# Altium PCB PCB4.PcbDoc (part 7 of 12) (continued)
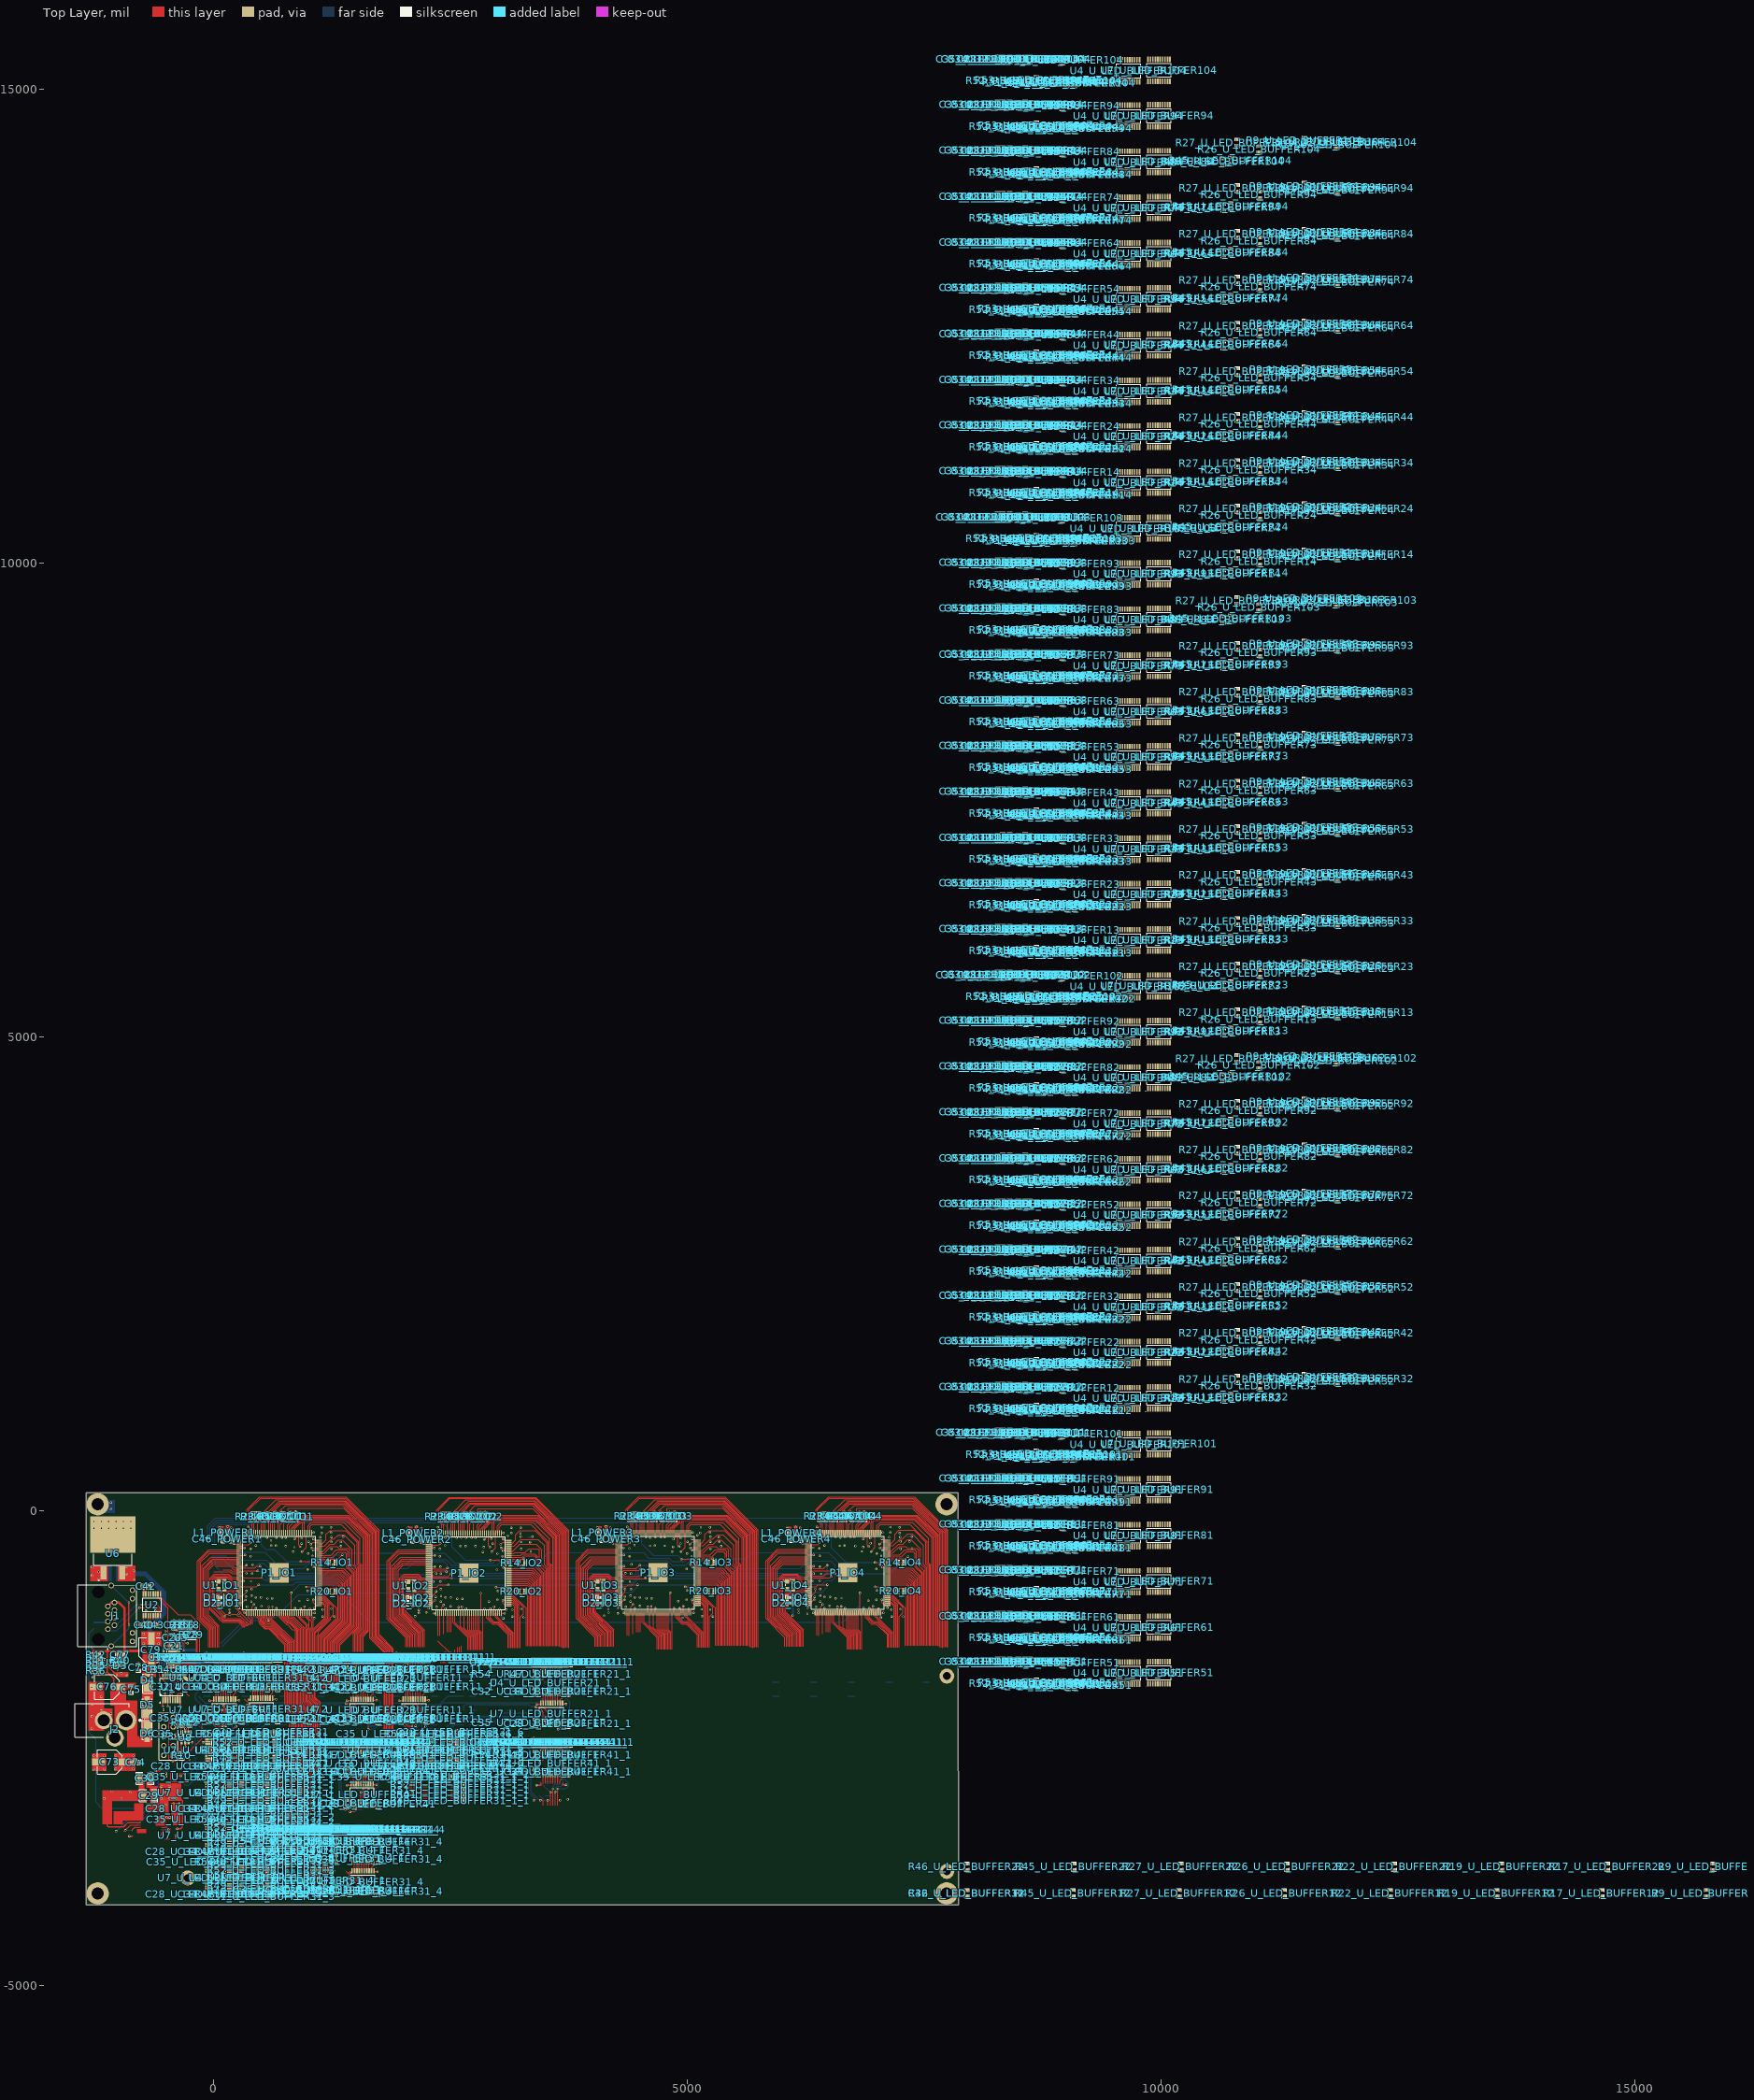
[diagram p0: Top Layer view]
## Nets (pads, with @x,y where several pads share a name; then routed paths per layer and width w, separated by ;. In a path a pad name is that pad's centre, name@x,y a point inside that pad or via, vN(x,y) a via of type N, cw(c..) or ccw(c..) an arc to the next point about the centre after c; other vN are vias at no path point) (continued)
  Top Layer w7: P1_IO1.52@644.25,-1073.81 640.97,-1077.09 640.97,-1107.2 634.82,-1113.35 615.25,-1113.35 605.11,-1123.49 616.5,-1134.88 852.57,-1370.95 852.57,-2063.97 901.45,-2112.86 901.45,-2607.14 778,-2730.59 778,-3070
GPIO_50_IO2: P1_IO2.52 R49_U_LED_BUFFER72.2 | length 421.2
  Top Layer w7: P1_IO2.52@2645.35,-1076.41 2645.35,-1234.13 2730.2,-1318.98 2730.2,-1462.43
GPIO_50_IO3: P1_IO3.52 R49_U_LED_BUFFER73.2 | length 421.2
  Top Layer w7: P1_IO3.52@4642.25,-1072.96 4642.25,-1230.68 4727.1,-1315.53 4727.1,-1458.98
GPIO_50_IO4: P1_IO4.52 R49_U_LED_BUFFER74.2 | length 421.2
  Top Layer w7: P1_IO4.52@6645.25,-1072.81 6645.25,-1230.53 6730.1,-1315.38 6730.1,-1458.83
GPIO_51_IO1: P1_IO1.46 R50_U_LED_BUFFER71.2 | length 2216.7
  Top Layer w7: P1_IO1.46@526.14,-1073.81 526.14,-1103.92 535.11,-1112.89 535.11,-1112.99 537.51,-1115.4 537.51,-1144.26 543.5,-1150.25 543.5,-1165.12 564.88,-1186.5 595.12,-1186.5 601.92,-1179.7 810.57,-1388.34 810.57,-2081.37 859.45,-2130.25 859.45,-2589.75 736,-2713.2 736,-3070
GPIO_51_IO2: P1_IO2.46 R50_U_LED_BUFFER72.2 | length 452.7
  Top Layer w7: P1_IO2.46@2527.24,-1076.41 2527.24,-1175.42 2688.2,-1336.38 2688.2,-1462.43
GPIO_51_IO3: P1_IO3.46 R50_U_LED_BUFFER73.2 | length 452.7
  Top Layer w7: P1_IO3.46@4524.14,-1072.96 4524.14,-1171.97 4685.1,-1332.93 4685.1,-1458.98
GPIO_51_IO4: P1_IO4.46 R50_U_LED_BUFFER74.2 | length 452.7
  Top Layer w7: P1_IO4.46@6527.14,-1072.81 6527.14,-1171.82 6688.1,-1332.78 6688.1,-1458.83
GPIO_52_IO1: P1_IO1.47 R51_U_LED_BUFFER71.2 | length 2219.1
  Top Layer w7: P1_IO1.47@545.83,-1073.81 545.83,-1103.81 549.11,-1107.09 549.11,-1107.2 551.51,-1109.6 551.51,-1138.46 557.5,-1144.45 557.5,-1159.32 570.68,-1172.5 589.32,-1172.5 601.92,-1159.9 824.57,-1382.55 824.57,-2075.57 873.45,-2124.45 873.45,-2595.55 750,-2718.99 750,-3070
GPIO_52_IO2: P1_IO2.47 R51_U_LED_BUFFER72.2 | length 450.3
  Top Layer w7: P1_IO2.47@2546.93,-1076.41 2546.93,-1175.3 2702.2,-1330.58 2702.2,-1462.43
GPIO_52_IO3: P1_IO3.47 R51_U_LED_BUFFER73.2 | length 450.3
  Top Layer w7: P1_IO3.47@4543.83,-1072.96 4543.83,-1171.85 4699.1,-1327.13 4699.1,-1458.98
GPIO_52_IO4: P1_IO4.47 R51_U_LED_BUFFER74.2 | length 450.3
  Top Layer w7: P1_IO4.47@6546.83,-1072.81 6546.83,-1171.7 6702.1,-1326.98 6702.1,-1458.83
GPIO_53_IO1: P1_IO1.50 R52_U_LED_BUFFER71.2 | length 2200.1
  Top Layer w7: P1_IO1.50@604.88,-1073.81 601.6,-1077.09 601.6,-1107.2 595.45,-1113.35 579.51,-1113.35 579.51,-1126.87 580.15,-1127.5 589.32,-1127.5 602.5,-1140.68 838.57,-1376.75 838.57,-2069.77 887.45,-2118.65 887.45,-2601.35 764,-2724.79 764,-3070
GPIO_53_IO2: P1_IO2.50 R52_U_LED_BUFFER72.2 | length 431.7
  Top Layer w7: P1_IO2.50@2605.98,-1076.41 2605.98,-1214.56 2716.2,-1324.78 2716.2,-1462.43
GPIO_53_IO3: P1_IO3.50 R52_U_LED_BUFFER73.2 | length 431.7
  Top Layer w7: P1_IO3.50@4602.88,-1072.96 4602.88,-1211.11 4713.1,-1321.33 4713.1,-1458.98
GPIO_53_IO4: P1_IO4.50 R52_U_LED_BUFFER74.2 | length 431.7
  Top Layer w7: P1_IO4.50@6605.88,-1072.81 6605.88,-1210.96 6716.1,-1321.18 6716.1,-1458.83
GPIO_54_IO1: P1_IO1.57 R53_U_LED_BUFFER71.2 | length 2678.6
  Top Layer w7: 714,-3550 714,-3263.54 854,-3123.54 854,-2735.83 957.45,-2632.38 957.45,-2089.66 917.99,-2050.21 908.57,-2040.78 908.57,-2029.18 908.57,-1958.57 908.57,-1248.57 815.35,-1155.35 793.77,-1155.35 763.01,-1124.59 763.01,-1124.48 757.33,-1118.79 757.33,-1118.68 751.64,-1112.99 751.64,-1112.88 745.96,-1107.2 745.96,-1085.96 742.68,-1082.68 P1_IO1.57@742.68,-1073.81
GPIO_54_IO2: P1_IO2.57 R53_U_LED_BUFFER72.2 | length 403.6
  Top Layer w7: P1_IO2.57@2743.78,-1076.41 2743.78,-1253.36 2786.2,-1295.78 2786.2,-1462.43
GPIO_54_IO3: P1_IO3.57 R53_U_LED_BUFFER73.2 | length 403.6
  Top Layer w7: P1_IO3.57@4740.68,-1072.96 4740.68,-1249.91 4783.1,-1292.34 4783.1,-1458.98
GPIO_54_IO4: P1_IO4.57 R53_U_LED_BUFFER74.2 | length 403.6
  Top Layer w7: P1_IO4.57@6743.68,-1072.81 6743.68,-1249.76 6786.1,-1292.18 6786.1,-1458.83
GPIO_55_IO1: P1_IO1.54 R54_U_LED_BUFFER71.2 | length 2685.7
  Top Layer w7: 672,-3550 672,-3246.14 812,-3106.14 812,-2718.43 894.81,-2635.62 894.81,-2633.58 915.45,-2612.94 915.45,-2107.06 905.52,-2097.12 866.57,-2058.17 866.57,-1265.96 850.6,-1250 834.82,-1250 782.17,-1197.35 776.37,-1197.35 721.01,-1141.99 721.01,-1141.88 715.33,-1136.19 715.33,-1136.08 709.64,-1130.39 709.64,-1130.28 703.96,-1124.59 703.96,-1124.48 698.27,-1118.79 698.27,-1118.68 692.59,-1112.99 692.59,-1112.88 686.9,-1107.2 686.9,-1077.09 P1_IO1.54@683.62,-1073.81
GPIO_55_IO2: P1_IO2.54 R54_U_LED_BUFFER72.2 | length 410.7
  Top Layer w7: P1_IO2.54@2684.72,-1076.41 2684.72,-1253.7 2744.2,-1313.18 2744.2,-1462.43
GPIO_55_IO3: P1_IO3.54 R54_U_LED_BUFFER73.2 | length 410.7
  Top Layer w7: P1_IO3.54@4681.62,-1072.96 4681.62,-1250.25 4741.1,-1309.73 4741.1,-1458.98
GPIO_55_IO4: P1_IO4.54 R54_U_LED_BUFFER74.2 | length 410.7
  Top Layer w7: P1_IO4.54@6684.62,-1072.81 6684.62,-1250.1 6744.1,-1309.58 6744.1,-1458.83
GPIO_56_IO1: P1_IO1.55 R47_U_LED_BUFFER81.2 | length 2683.3
  Top Layer w7: 686,-3550 686,-3251.94 826,-3111.94 826,-2724.23 929.45,-2620.78 929.45,-2101.26 880.57,-2052.37 880.57,-1260.16 803.75,-1183.35 782.17,-1183.35 735.01,-1136.19 735.01,-1136.08 729.33,-1130.39 729.33,-1130.28 723.64,-1124.59 723.64,-1124.48 717.96,-1118.79 717.96,-1118.68 712.27,-1112.99 712.27,-1112.88 706.59,-1107.2 706.59,-1077.18 703.31,-1073.9 P1_IO1.55@703.31,-1073.81
GPIO_56_IO2: P1_IO2.55 R47_U_LED_BUFFER82.2 | length 408.3
  Top Layer w7: P1_IO2.55@2704.41,-1076.41 2704.41,-1253.59 2758.2,-1307.38 2758.2,-1462.43
GPIO_56_IO3: P1_IO3.55 R47_U_LED_BUFFER83.2 | length 408.3
  Top Layer w7: P1_IO3.55@4701.31,-1072.96 4701.31,-1250.14 4755.1,-1303.93 4755.1,-1458.98
GPIO_56_IO4: P1_IO4.55 R47_U_LED_BUFFER84.2 | length 408.3
  Top Layer w7: P1_IO4.55@6704.31,-1072.81 6704.31,-1249.99 6758.1,-1303.78 6758.1,-1458.83
GPIO_57_IO1: P1_IO1.56 R48_U_LED_BUFFER81.2 | length 2681
  Top Layer w7: 700,-3550 700,-3257.74 840,-3117.74 840,-2730.03 943.45,-2626.58 943.45,-2095.46 912.2,-2064.21 894.57,-2046.58 894.57,-2023.38 894.57,-1254.36 809.55,-1169.35 787.97,-1169.35 749.01,-1130.39 749.01,-1130.28 743.33,-1124.59 743.33,-1124.48 737.64,-1118.79 737.64,-1118.68 731.96,-1112.99 731.96,-1112.88 726.27,-1107.2 726.27,-1077.09 P1_IO1.56@722.99,-1073.81
GPIO_57_IO2: P1_IO2.56 R48_U_LED_BUFFER82.2 | length 405.9
  Top Layer w7: P1_IO2.56@2724.09,-1076.41 2724.09,-1253.47 2772.2,-1301.58 2772.2,-1462.43
GPIO_57_IO3: P1_IO3.56 R48_U_LED_BUFFER83.2 | length 405.9
  Top Layer w7: P1_IO3.56@4720.99,-1072.96 4720.99,-1250.02 4769.1,-1298.13 4769.1,-1458.98
GPIO_57_IO4: P1_IO4.56 R48_U_LED_BUFFER84.2 | length 405.9
  Top Layer w7: P1_IO4.56@6723.99,-1072.81 6723.99,-1249.87 6772.1,-1297.98 6772.1,-1458.83
GPIO_58_IO1: P1_IO1.62 R49_U_LED_BUFFER81.2
GPIO_58_IO2: P1_IO2.62 R49_U_LED_BUFFER82.2 | length 386
  Top Layer w7: 2842.2,-1462.43 P1_IO2.62@2842.2,-1076.41
GPIO_58_IO3: P1_IO3.62 R49_U_LED_BUFFER83.2 | length 386
  Top Layer w7: 4839.1,-1458.98 P1_IO3.62@4839.1,-1072.96
GPIO_58_IO4: P1_IO4.62 R49_U_LED_BUFFER84.2 | length 386
  Top Layer w7: 6842.1,-1458.83 P1_IO4.62@6842.1,-1072.81
GPIO_59_IO1: P1_IO1.58 R50_U_LED_BUFFER81.2 | length 2676.4
  Top Layer w7: 728,-3550 728,-3269.34 868,-3129.34 868,-2741.63 971.45,-2638.18 971.45,-2083.86 923.79,-2036.21 922.57,-2034.98 922.57,-1242.57 821.35,-1141.35 799.57,-1141.35 777.01,-1118.79 777.01,-1118.68 771.33,-1112.99 771.33,-1112.88 765.64,-1107.2 765.64,-1085.64 762.36,-1082.36 P1_IO1.58@762.36,-1073.81
GPIO_59_IO2: P1_IO2.58 R50_U_LED_BUFFER82.2 | length 401.2
  Top Layer w7: P1_IO2.58@2763.46,-1076.41 2763.46,-1253.25 2800.2,-1289.99 2800.2,-1462.43
GPIO_59_IO3: P1_IO3.58 R50_U_LED_BUFFER83.2 | length 401.2
  Top Layer w7: P1_IO3.58@4760.36,-1072.96 4760.36,-1249.8 4797.1,-1286.54 4797.1,-1458.98
GPIO_59_IO4: P1_IO4.58 R50_U_LED_BUFFER84.2 | length 401.2
  Top Layer w7: P1_IO4.58@6763.36,-1072.81 6763.36,-1249.65 6800.1,-1286.39 6800.1,-1458.83
GPIO_60_IO1: P1_IO1.59 R51_U_LED_BUFFER81.2 | length 2679.3
  Top Layer w7: 742,-3550 742,-3275.14 882,-3135.14 882,-2747.43 985.45,-2643.98 985.45,-2078.06 936.87,-2029.48 936.87,-2021.79 936.57,-2021.49 936.57,-1228.74 936.87,-1228.74 835.47,-1127.35 805.37,-1127.35 791.01,-1112.99 791.01,-1112.88 785.33,-1107.2 785.33,-1077.09 P1_IO1.59@782.05,-1073.81
GPIO_60_IO2: P1_IO2.59 R51_U_LED_BUFFER82.2 | length 398.9
  Top Layer w7: P1_IO2.59@2783.15,-1076.41 2783.15,-1253.13 2814.2,-1284.19 2814.2,-1462.43
GPIO_60_IO3: P1_IO3.59 R51_U_LED_BUFFER83.2 | length 398.9
  Top Layer w7: P1_IO3.59@4780.05,-1072.96 4780.05,-1249.68 4811.1,-1280.74 4811.1,-1458.98
GPIO_60_IO4: P1_IO4.59 R51_U_LED_BUFFER84.2 | length 398.9
  Top Layer w7: P1_IO4.59@6783.05,-1072.81 6783.05,-1249.53 6814.1,-1280.59 6814.1,-1458.83
GPIO_61_IO1: P1_IO1.60 R52_U_LED_BUFFER81.2 | length 2680.3
  Top Layer w7: 756,-3550 756,-3280.94 896,-3140.94 896,-2753.23 999.45,-2649.78 999.45,-2072.26 999.45,-2064.57 966.88,-2032.01 950.57,-2015.69 950.57,-1231.64 955.06,-1227.14 841.27,-1113.35 831.67,-1113.35 811.16,-1113.35 805.01,-1107.2 805.01,-1077.09 P1_IO1.60@801.73,-1073.81
GPIO_61_IO2: P1_IO2.60 R52_U_LED_BUFFER82.2 | length 396.5
  Top Layer w7: P1_IO2.60@2802.83,-1076.41 2802.83,-1253.02 2828.2,-1278.39 2828.2,-1462.43
GPIO_61_IO3: P1_IO3.60 R52_U_LED_BUFFER83.2 | length 396.5
  Top Layer w7: P1_IO3.60@4799.73,-1072.96 4799.73,-1249.57 4825.1,-1274.94 4825.1,-1458.98
GPIO_61_IO4: P1_IO4.60 R52_U_LED_BUFFER84.2 | length 396.5
  Top Layer w7: P1_IO4.60@6802.73,-1072.81 6802.73,-1249.42 6828.1,-1274.79 6828.1,-1458.83
GPIO_62_IO1: P1_IO1.69 R53_U_LED_BUFFER81.2 | length 2882.1
  Top Layer w7: 709.9,-3749.9 813.36,-3646.44 813.36,-3311.47 958,-3166.83 958,-2771.6 1058.72,-2670.87 1058.72,-2044.65 1040.83,-2026.76 1006.57,-1992.49 1006.57,-1254.83 1040.83,-1220.57 1040.83,-1165.85 1002.33,-1127.35 1002.22,-1127.35 987.86,-1112.99 987.86,-1112.88 982.18,-1107.2 982.18,-1077.09 P1_IO1.69@978.9,-1073.81
GPIO_62_IO2: P1_IO2.69 R53_U_LED_BUFFER82.2 | length 436.6
  Top Layer w7: P1_IO2.69@2980,-1076.41 2980,-1116.06 3153.3,-1289.36 3153.3,-1441.25
GPIO_62_IO3: P1_IO3.69 R53_U_LED_BUFFER83.2 | length 436.6
  Top Layer w7: P1_IO3.69@4976.9,-1072.96 4976.9,-1112.61 5150.2,-1285.91 5150.2,-1437.8
GPIO_62_IO4: P1_IO4.69 R53_U_LED_BUFFER84.2 | length 436.6
  Top Layer w7: P1_IO4.69@6979.9,-1072.81 6979.9,-1112.46 7153.2,-1285.76 7153.2,-1437.65
GPIO_63_IO1: P1_IO1.64 R54_U_LED_BUFFER81.2 | length 2645.7
  Top Layer w7: 770,-3550 770,-3286.74 800,-3256.74 910,-3146.74 910,-2759.02 1013.45,-2655.58 1013.45,-2066.46 1013.45,-2058.78 980.88,-2026.21 964.57,-2009.89 964.57,-1237.44 980.88,-1221.12 980.88,-1204.44 917.79,-1141.35 917.68,-1141.35 895.12,-1118.79 895.12,-1118.68 889.44,-1112.99 889.44,-1112.88 883.75,-1107.2 883.75,-1077.09 P1_IO1.64@880.47,-1073.81
GPIO_63_IO2: P1_IO2.64 R54_U_LED_BUFFER82.2 | length 488.8
  Top Layer w7: P1_IO2.64@2881.57,-1076.41 2881.57,-1126.15 2948.02,-1192.6 2997.14,-1192.6 3111.3,-1306.76 3111.3,-1441.25
GPIO_63_IO3: P1_IO3.64 R54_U_LED_BUFFER83.2 | length 488.8
  Top Layer w7: P1_IO3.64@4878.47,-1072.96 4878.47,-1122.7 4944.92,-1189.15 4994.04,-1189.15 5108.2,-1303.31 5108.2,-1437.8
GPIO_63_IO4: P1_IO4.64 R54_U_LED_BUFFER84.2 | length 488.8
  Top Layer w7: P1_IO4.64@6881.47,-1072.81 6881.47,-1122.55 6947.92,-1189 6997.04,-1189 7111.2,-1303.16 7111.2,-1437.65
GPIO_64_IO1: P1_IO1.65 R47_U_LED_BUFFER91.2 | length 2865
  Top Layer w7: 690.1,-3730.1 785.36,-3634.85 785.36,-3299.88 930,-3155.23 930,-2760 1030.72,-2659.28 1030.72,-2056.25 994.88,-2020.41 978.57,-2004.09 978.57,-1243.24 994.88,-1226.92 994.88,-1198.64 923.59,-1127.35 923.48,-1127.35 909.12,-1112.99 909.12,-1112.88 903.44,-1107.2 903.44,-1077.09 P1_IO1.65@900.16,-1073.81
GPIO_64_IO2: P1_IO2.65 R47_U_LED_BUFFER92.2 | length 486.3
  Top Layer w7: P1_IO2.65@2901.26,-1076.52 2901.26,-1126.04 2953.82,-1178.6 3002.94,-1178.6 3125.3,-1300.96 3125.3,-1441.25
GPIO_64_IO3: P1_IO3.65 R47_U_LED_BUFFER93.2 | length 486.3
  Top Layer w7: P1_IO3.65@4898.16,-1073.08 4898.16,-1122.59 4950.72,-1175.15 4999.84,-1175.15 5122.2,-1297.51 5122.2,-1437.8
GPIO_64_IO4: P1_IO4.65 R47_U_LED_BUFFER94.2 | length 486.3
  Top Layer w7: P1_IO4.65@6901.16,-1072.92 6901.16,-1122.44 6953.72,-1175 7002.84,-1175 7125.2,-1297.36 7125.2,-1437.65
GPIO_65_IO1: P1_IO1.66 R48_U_LED_BUFFER91.2 | length 2897.3
  Top Layer w7: 700,-3740 799.36,-3640.64 799.36,-3305.67 944,-3161.03 944,-2765.8 1044.72,-2665.08 1044.72,-2050.45 1008.88,-2014.61 992.57,-1998.29 992.57,-1249.04 1008.88,-1232.72 1008.88,-1153.7 996.53,-1141.35 996.42,-1141.35 973.86,-1118.79 973.86,-1118.68 968.53,-1113.35 949.78,-1113.35 929.27,-1113.35 923.12,-1107.2 923.12,-1077.09 P1_IO1.66@919.84,-1073.81
GPIO_65_IO2: P1_IO2.66 R48_U_LED_BUFFER92.2 | length 484.1
  Top Layer w7: P1_IO2.66@2920.94,-1076.41 2920.94,-1125.93 2959.62,-1164.6 3008.74,-1164.6 3139.3,-1295.16 3139.3,-1441.25
GPIO_65_IO3: P1_IO3.66 R48_U_LED_BUFFER93.2 | length 484.1
  Top Layer w7: P1_IO3.66@4917.84,-1072.96 4917.84,-1122.48 4956.52,-1161.15 5005.64,-1161.15 5136.2,-1291.71 5136.2,-1437.8
GPIO_65_IO4: P1_IO4.66 R48_U_LED_BUFFER94.2 | length 484.1
  Top Layer w7: P1_IO4.66@6920.84,-1072.81 6920.84,-1122.33 6959.52,-1161 7008.64,-1161 7139.2,-1291.56 7139.2,-1437.65
GPIO_66_IO1: P1_IO1.76 R49_U_LED_BUFFER91.2 | length 3146.9
  Top Layer w7: 749.5,-3789.5 869.36,-3669.64 869.36,-3334.67 1014,-3190.03 1014,-2794.79 1114.72,-2694.07 1114.72,-2021.45 1062.57,-1969.3 1062.57,-1278.03 1208.2,-1132.4 1208.2,-989.86 1154.82,-936.49 P1_IO1.76@1116.22,-936.49
GPIO_66_IO2: P1_IO2.76 R49_U_LED_BUFFER92.2 | length 562.9
  Top Layer w7: P1_IO2.76@3117.32,-939.09 3155.92,-939.09 3209.3,-992.46 3209.3,-1266.16 3209.3,-1441.25
GPIO_66_IO3: P1_IO3.76 R49_U_LED_BUFFER93.2 | length 562.9
  Top Layer w7: P1_IO3.76@5114.22,-935.64 5152.82,-935.64 5206.2,-989.01 5206.2,-1262.71 5206.2,-1437.8
GPIO_66_IO4: P1_IO4.76 R49_U_LED_BUFFER94.2 | length 562.9
  Top Layer w7: P1_IO4.76@7117.22,-935.49 7155.82,-935.49 7209.2,-988.86 7209.2,-1262.56 7209.2,-1437.65
GPIO_67_IO1: P1_IO1.70 R50_U_LED_BUFFER91.2 | length 2909.8
  Top Layer w7: 719.8,-3759.8 827.36,-3652.24 827.36,-3317.27 972,-3172.63 972,-2777.4 1072.72,-2676.67 1072.72,-2038.85 1054.83,-2020.96 1020.57,-1986.7 1020.57,-1260.63 1054.83,-1226.37 1054.83,-1150.98 1041.72,-1137.87 1041.72,-1119.23 1042.86,-1118.08 1038.12,-1113.35 1028.52,-1113.35 1008.01,-1113.35 1001.86,-1107.2 1001.86,-1077.09 P1_IO1.70@998.58,-1073.81
GPIO_67_IO2: P1_IO2.70 R50_U_LED_BUFFER92.2 | length 434.3
  Top Layer w7: P1_IO2.70@2999.68,-1076.41 2999.68,-1115.95 3167.3,-1283.56 3167.3,-1441.25
GPIO_67_IO3: P1_IO3.70 R50_U_LED_BUFFER93.2 | length 434.3
  Top Layer w7: P1_IO3.70@4996.58,-1072.96 4996.58,-1112.5 5164.2,-1280.11 5164.2,-1437.8
GPIO_67_IO4: P1_IO4.70 R50_U_LED_BUFFER94.2 | length 434.3
  Top Layer w7: P1_IO4.70@6999.58,-1072.81 6999.58,-1112.35 7167.2,-1279.96 7167.2,-1437.65
GPIO_68_IO1: P1_IO1.74 R51_U_LED_BUFFER91.2 | length 3071
  Top Layer w7: 729.7,-3769.7 841.36,-3658.04 841.36,-3323.07 986,-3178.43 986,-2783.2 1086.72,-2682.47 1086.72,-2033.05 1034.57,-1980.9 1034.57,-1266.43 1180.2,-1120.8 1180.2,-1004.3 1151.76,-975.86 P1_IO1.74@1116.22,-975.86
GPIO_68_IO2: P1_IO2.74 R51_U_LED_BUFFER92.2 | length 510.1
  Top Layer w7: P1_IO2.74@3117.32,-978.46 3152.86,-978.46 3181.3,-1006.9 3181.3,-1277.76 3181.3,-1441.25
GPIO_68_IO3: P1_IO3.74 R51_U_LED_BUFFER93.2 | length 510.1
  Top Layer w7: P1_IO3.74@5114.22,-975.01 5149.76,-975.01 5178.2,-1003.45 5178.2,-1274.31 5178.2,-1437.8
GPIO_68_IO4: P1_IO4.74 R51_U_LED_BUFFER94.2 | length 510.1
  Top Layer w7: P1_IO4.74@7117.22,-974.86 7152.76,-974.86 7181.2,-1003.3 7181.2,-1274.16 7181.2,-1437.65
GPIO_69_IO1: P1_IO1.75 R52_U_LED_BUFFER91.2 | length 3108.1
  Top Layer w7: 739.6,-3779.6 855.36,-3663.84 855.36,-3328.87 1000,-3184.23 1000,-2788.99 1100.72,-2688.27 1100.72,-2027.25 1048.57,-1975.1 1048.57,-1272.23 1194.2,-1126.6 1194.2,-998.5 1154.28,-958.58 1118.63,-958.58 P1_IO1.75@1116.22,-956.17
GPIO_69_IO2: P1_IO2.75 R52_U_LED_BUFFER92.2 | length 535.7
  Top Layer w7: P1_IO2.75@3117.32,-958.77 3119.73,-961.18 3155.38,-961.18 3195.3,-1001.1 3195.3,-1271.96 3195.3,-1441.25
GPIO_69_IO3: P1_IO3.75 R52_U_LED_BUFFER93.2 | length 535.7
  Top Layer w7: P1_IO3.75@5114.22,-955.32 5116.63,-957.73 5152.28,-957.73 5192.2,-997.65 5192.2,-1268.51 5192.2,-1437.8
GPIO_69_IO4: P1_IO4.75 R52_U_LED_BUFFER94.2 | length 535.7
  Top Layer w7: P1_IO4.75@7117.22,-955.17 7119.63,-957.58 7155.28,-957.58 7195.2,-997.5 7195.2,-1268.36 7195.2,-1437.65
GPIO_70_IO1: P1_IO1.81 R53_U_LED_BUFFER91.2 | length 1331.8
  Top Layer w7: P1_IO1.81@1116.22,-838.06 1179.61,-838.06 1205.88,-811.8 1305.61,-811.8 1314.52,-820.71 1314.52,-1131.78 1122.17,-1324.12 1122.17,-1860
GPIO_70_IO2: P1_IO2.81 R53_U_LED_BUFFER92.2 | length 812.2
  Top Layer w7: P1_IO2.81@3117.32,-840.66 3180.71,-840.66 3206.98,-814.4 3306.71,-814.4 3315.62,-823.31 3315.62,-1422.6
GPIO_70_IO3: P1_IO3.81 R53_U_LED_BUFFER93.2 | length 812.2
  Top Layer w7: P1_IO3.81@5114.22,-837.21 5177.61,-837.21 5203.88,-810.95 5303.61,-810.95 5312.52,-819.86 5312.52,-1419.15
GPIO_70_IO4: P1_IO4.81 R53_U_LED_BUFFER94.2 | length 812.2
  Top Layer w7: P1_IO4.81@7117.22,-837.06 7180.61,-837.06 7206.88,-810.8 7306.61,-810.8 7315.52,-819.71 7315.52,-1419
GPIO_71_IO1: C33_U_LED_BUFFER31_4_1.1 P1_IO1.77 R54_U_LED_BUFFER91.2 | length 3184.1
  Top Layer w7: 759.4,-3799.4 883.36,-3675.44 883.36,-3340.47 914.33,-3309.49 924.55,-3299.28 1028,-3195.83 1028,-2800.59 1128.72,-2699.87 1128.72,-2015.66 1076.57,-1963.5 1076.57,-1283.83 1222.2,-1138.2 1222.2,-984.06 1154.94,-916.8 P1_IO1.77@1116.22,-916.8
  other v1: 930.6,-3305.33
GPIO_71_IO2: P1_IO2.77 R54_U_LED_BUFFER92.2 | length 588.4
  Top Layer w7: P1_IO2.77@3117.32,-919.4 3156.04,-919.4 3223.3,-986.66 3223.3,-1260.36 3223.3,-1441.25
GPIO_71_IO3: P1_IO3.77 R54_U_LED_BUFFER93.2 | length 588.4
  Top Layer w7: P1_IO3.77@5114.22,-915.95 5152.94,-915.95 5220.2,-983.21 5220.2,-1256.92 5220.2,-1437.8
GPIO_71_IO4: P1_IO4.77 R54_U_LED_BUFFER94.2 | length 588.4
  Top Layer w7: P1_IO4.77@7117.22,-915.8 7155.94,-915.8 7223.2,-983.06 7223.2,-1256.77 7223.2,-1437.65
GPIO_72_IO1: P1_IO1.78 R52_U_LED_BUFFER101.2 | length 1126
  Top Layer w7: 1094.17,-1865.8 1094.17,-1312.52 1107.8,-1298.9 1107.8,-1272.4 1236.2,-1144 1236.2,-1123.8 1255.43,-1104.57 1255.43,-1103.55 1267.2,-1091.78 1267.2,-1008.56 1155.76,-897.12 P1_IO1.78@1116.22,-897.12
GPIO_72_IO2: P1_IO2.78 R52_U_LED_BUFFER102.2 | length 642.8
  Top Layer w7: P1_IO2.78@3117.32,-899.72 3156.86,-899.72 3271.66,-1014.52 3271.66,-1080.53 3237.3,-1114.89 3237.3,-1441.25
GPIO_72_IO3: P1_IO3.78 R52_U_LED_BUFFER103.2 | length 643.1
  Top Layer w7: P1_IO3.78@5114.22,-896.27 5153.76,-896.27 5268.89,-1011.4 5268.89,-1076.75 5234.2,-1111.45 5234.2,-1437.8
GPIO_72_IO4: P1_IO4.78 R52_U_LED_BUFFER104.2 | length 646.7
  Top Layer w7: P1_IO4.78@7117.22,-896.12 7156.76,-896.12 7276.18,-1015.54 7276.18,-1072.31 7237.2,-1111.29 7237.2,-1437.65
GPIO_73_IO1: P1_IO1.79 R53_U_LED_BUFFER101.2 | length 1161.8
  Top Layer w7: 1108.17,-1860 1108.17,-1318.32 1300.52,-1125.98 1300.52,-1022.08 1155.87,-877.43 P1_IO1.79@1116.22,-877.43
GPIO_73_IO2: P1_IO2.79 R53_U_LED_BUFFER102.2 | length 642.1
  Top Layer w7: P1_IO2.79@3117.32,-880.03 3156.97,-880.03 3301.62,-1024.68 3301.62,-1422.6
GPIO_73_IO3: P1_IO3.79 R53_U_LED_BUFFER103.2 | length 642.1
  Top Layer w7: P1_IO3.79@5114.22,-876.58 5153.87,-876.58 5298.52,-1021.23 5298.52,-1419.15
GPIO_73_IO4: P1_IO4.79 R53_U_LED_BUFFER104.2 | length 642.1
  Top Layer w7: P1_IO4.79@7117.22,-876.43 7156.87,-876.43 7301.52,-1021.08 7301.52,-1419
GPIO_74_IO1: P1_IO1.84 R54_U_LED_BUFFER101.2 | length 1362
  Top Layer w7: P1_IO1.84@1116.22,-779.01 1308.94,-779.01 1329.76,-799.83 1329.76,-1138.09 1137.42,-1330.44 1137.42,-1860
GPIO_74_IO2: P1_IO2.84 R54_U_LED_BUFFER102.2 | length 842.3
  Top Layer w7: P1_IO2.84@3117.32,-781.61 3310.04,-781.61 3330.86,-802.43 3330.86,-1422.6
GPIO_74_IO3: P1_IO3.84 R54_U_LED_BUFFER103.2 | length 842.3
  Top Layer w7: P1_IO3.84@5114.22,-778.16 5306.94,-778.16 5327.76,-798.98 5327.76,-1419.15
GPIO_74_IO4: P1_IO4.84 R54_U_LED_BUFFER104.2 | length 842.3
  Top Layer w7: P1_IO4.84@7117.22,-778.01 7309.94,-778.01 7330.76,-798.83 7330.76,-1419
ID0_IO1: P1_IO1.112 R24.1 | length 214.5
  Top Layer w10: v1(938,-425.9) 978.9,-385 P1_IO1.112@978.9,-228.3
ID0_IO2: P1_IO2.112 R30.2 | length 214.5
  Top Layer w10: v1(2939.1,-428.5) 2980,-387.6 P1_IO2.112@2980,-230.9
ID0_IO3: P1_IO3.112 R32.1 | length 214.5
  Top Layer w10: v1(4936,-425.05) 4976.9,-384.15 P1_IO3.112@4976.9,-227.45
ID0_IO4: P1_IO4.112 R34.2 | length 214.5
  Top Layer w10: v1(6939,-424.9) 6979.9,-384 P1_IO4.112@6979.9,-227.3
ID1_IO1: P1_IO1.123 R23.1 | length 48.9
  Top Layer w10: v1(762.36,-277.25) P1_IO1.123@762.36,-228.3
ID1_IO2: P1_IO2.123 R25.1 | length 48.9
  Top Layer w10: v1(2763.46,-279.85) P1_IO2.123@2763.46,-230.9
ID1_IO3: P1_IO3.123 R31.2 | length 48.9
  Top Layer w10: v1(4760.36,-276.4) P1_IO3.123@4760.36,-227.45
ID1_IO4: P1_IO4.123 R33.2 | length 48.9
  Top Layer w10: v1(6763.36,-276.25) P1_IO4.123@6763.36,-227.3
IN1_U_LED_BUFFER101: R47_U_LED_BUFFER101.2
IN1_U_LED_BUFFER102: R47_U_LED_BUFFER102.2
IN1_U_LED_BUFFER103: R47_U_LED_BUFFER103.2
IN1_U_LED_BUFFER104: R47_U_LED_BUFFER104.2
IN2_U_LED_BUFFER101: R48_U_LED_BUFFER101.2
IN2_U_LED_BUFFER102: R48_U_LED_BUFFER102.2
IN2_U_LED_BUFFER103: R48_U_LED_BUFFER103.2
IN2_U_LED_BUFFER104: R48_U_LED_BUFFER104.2
IN3_U_LED_BUFFER101: R49_U_LED_BUFFER101.2
IN3_U_LED_BUFFER102: R49_U_LED_BUFFER102.2
IN3_U_LED_BUFFER103: R49_U_LED_BUFFER103.2
IN3_U_LED_BUFFER104: R49_U_LED_BUFFER104.2
IN4_U_LED_BUFFER101: R50_U_LED_BUFFER101.2
IN4_U_LED_BUFFER102: R50_U_LED_BUFFER102.2
IN4_U_LED_BUFFER103: R50_U_LED_BUFFER103.2
IN4_U_LED_BUFFER104: R50_U_LED_BUFFER104.2
IN5_U_LED_BUFFER101: R51_U_LED_BUFFER101.2
IN5_U_LED_BUFFER102: R51_U_LED_BUFFER102.2
IN5_U_LED_BUFFER103: R51_U_LED_BUFFER103.2
IN5_U_LED_BUFFER104: R51_U_LED_BUFFER104.2
L_OUT1_U_LED_BUFFER11: R9_U_LED_BUFFER11.2 U7_U_LED_BUFFER11.18 | length 765.2
  Top Layer w7: v1(10,-2060) 40,-2030 130,-2030 184.03,-2084.03 U7_U_LED_BUFFER11.18@184.03,-2215.35
  Bottom Layer w7: R9_U_LED_BUFFER11.2@-160,-1800 -160,-1861.78 -156.15,-1865.63 -156.15,-1898.8 -185.5,-1928.15 -185.5,-1984.5 -110,-2060 v1(10,-2060)
L_OUT1_U_LED_BUFFER12: R9_U_LED_BUFFER12.2 U7_U_LED_BUFFER12.18
L_OUT1_U_LED_BUFFER13: R9_U_LED_BUFFER13.2 U7_U_LED_BUFFER13.18
L_OUT1_U_LED_BUFFER14: R9_U_LED_BUFFER14.2 U7_U_LED_BUFFER14.18
L_OUT1_U_LED_BUFFER21: R9_U_LED_BUFFER21.2 U7_U_LED_BUFFER21.18 | length 1264.6
  Top Layer w7: U7_U_LED_BUFFER21.18@1633.98,-2215.67 U7_U_LED_BUFFER21.18@1635.6,-2217.3 ; 1635.6,-2257.3 1635.6,-2299.08 v1(1637.23,-2300.71)
  Bottom Layer w7: R9_U_LED_BUFFER21.2@1040,-1950 1040,-1920 1100,-1860 1610,-1860 1762.5,-2012.5 1762.5,-2199.32 1738.46,-2223.36 1738.46,-2263.58 1701.33,-2300.71 v1(1637.23,-2300.71)
L_OUT1_U_LED_BUFFER22: R9_U_LED_BUFFER22.2 U7_U_LED_BUFFER22.18
L_OUT1_U_LED_BUFFER23: R9_U_LED_BUFFER23.2 U7_U_LED_BUFFER23.18
L_OUT1_U_LED_BUFFER24: R9_U_LED_BUFFER24.2 U7_U_LED_BUFFER24.18
L_OUT1_U_LED_BUFFER31: R9_U_LED_BUFFER31.2 U7_U_LED_BUFFER31.18 | length 505.3
  Top Layer w7: U7_U_LED_BUFFER31.18@-55.67,-2583.98 36.02,-2583.98 120,-2500 120,-2389.32 171.71,-2337.61 237.33,-2271.99 v1@237.26,-2271.92
  Bottom Layer w7: v1@240,-2268.13 R9_U_LED_BUFFER31.2@240,-2250
  other v1: 240,-2270
L_OUT1_U_LED_BUFFER32: R9_U_LED_BUFFER32.2 U7_U_LED_BUFFER32.18
L_OUT1_U_LED_BUFFER33: R9_U_LED_BUFFER33.2 U7_U_LED_BUFFER33.18
L_OUT1_U_LED_BUFFER34: R9_U_LED_BUFFER34.2 U7_U_LED_BUFFER34.18
L_OUT1_U_LED_BUFFER41: R9_U_LED_BUFFER41.2 U7_U_LED_BUFFER41.18 | length 1009.7
  Top Layer w7: U7_U_LED_BUFFER41.18@1633.98,-3105.67 1634.08,-3105.56 1634.08,-2930.05 v1(1635.33,-2928.81)
  Bottom Layer w7: R9_U_LED_BUFFER41.2@1440,-2400 1440,-2402.5 1451.5,-2414 1454,-2414 1510,-2470 1650,-2470 1707.5,-2527.5 1707.5,-2827.5 1745.6,-2865.6 1745.6,-2900 1716.79,-2928.81 v1(1635.33,-2928.81)
L_OUT1_U_LED_BUFFER42: R9_U_LED_BUFFER42.2 U7_U_LED_BUFFER42.18
L_OUT1_U_LED_BUFFER43: R9_U_LED_BUFFER43.2 U7_U_LED_BUFFER43.18
L_OUT1_U_LED_BUFFER44: R9_U_LED_BUFFER44.2 U7_U_LED_BUFFER44.18
L_OUT1_U_LED_BUFFER51: R9_U_LED_BUFFER51.2 U7_U_LED_BUFFER51.18
L_OUT1_U_LED_BUFFER52: R9_U_LED_BUFFER52.2 U7_U_LED_BUFFER52.18
L_OUT1_U_LED_BUFFER53: R9_U_LED_BUFFER53.2 U7_U_LED_BUFFER53.18
L_OUT1_U_LED_BUFFER54: R9_U_LED_BUFFER54.2 U7_U_LED_BUFFER54.18
L_OUT1_U_LED_BUFFER61: R9_U_LED_BUFFER61.2 U7_U_LED_BUFFER61.18
L_OUT1_U_LED_BUFFER62: R9_U_LED_BUFFER62.2 U7_U_LED_BUFFER62.18
L_OUT1_U_LED_BUFFER63: R9_U_LED_BUFFER63.2 U7_U_LED_BUFFER63.18
L_OUT1_U_LED_BUFFER64: R9_U_LED_BUFFER64.2 U7_U_LED_BUFFER64.18
L_OUT1_U_LED_BUFFER71: R9_U_LED_BUFFER71.2 U7_U_LED_BUFFER71.18
L_OUT1_U_LED_BUFFER72: R9_U_LED_BUFFER72.2 U7_U_LED_BUFFER72.18
L_OUT1_U_LED_BUFFER73: R9_U_LED_BUFFER73.2 U7_U_LED_BUFFER73.18
L_OUT1_U_LED_BUFFER74: R9_U_LED_BUFFER74.2 U7_U_LED_BUFFER74.18
L_OUT1_U_LED_BUFFER81: R9_U_LED_BUFFER81.2 U7_U_LED_BUFFER81.18
L_OUT1_U_LED_BUFFER82: R9_U_LED_BUFFER82.2 U7_U_LED_BUFFER82.18
L_OUT1_U_LED_BUFFER83: R9_U_LED_BUFFER83.2 U7_U_LED_BUFFER83.18
L_OUT1_U_LED_BUFFER84: R9_U_LED_BUFFER84.2 U7_U_LED_BUFFER84.18
L_OUT1_U_LED_BUFFER91: R9_U_LED_BUFFER91.2 U7_U_LED_BUFFER91.18
L_OUT1_U_LED_BUFFER92: R9_U_LED_BUFFER92.2 U7_U_LED_BUFFER92.18
L_OUT1_U_LED_BUFFER93: R9_U_LED_BUFFER93.2 U7_U_LED_BUFFER93.18
L_OUT1_U_LED_BUFFER94: R9_U_LED_BUFFER94.2 U7_U_LED_BUFFER94.18
L_OUT1_U_LED_BUFFER101: R9_U_LED_BUFFER101.2 U7_U_LED_BUFFER101.18
L_OUT1_U_LED_BUFFER102: R9_U_LED_BUFFER102.2 U7_U_LED_BUFFER102.18
L_OUT1_U_LED_BUFFER103: R9_U_LED_BUFFER103.2 U7_U_LED_BUFFER103.18
L_OUT1_U_LED_BUFFER104: R9_U_LED_BUFFER104.2 U7_U_LED_BUFFER104.18
L_OUT2_U_LED_BUFFER11: R17_U_LED_BUFFER11.2 U7_U_LED_BUFFER11.17 | length 463.5
  Top Layer w7: v1@151.77,-2160.44 156.34,-2165.02 v1@156.48,-2165.16 ; v1(156.2,-2165.16) v1@156.48,-2165.16 ; U7_U_LED_BUFFER11.17@158.44,-2215.35 158.44,-2167.11 v1@156.48,-2165.16 ; v1@159.44,-2162.19 v1@156.48,-2165.16
  Bottom Layer w7: v1(156.2,-2165.16) 156.2,-2153.32 156.2,-2143.8 165,-2135 165,-1875 226,-1814 228.5,-1814 240,-1802.5 R17_U_LED_BUFFER11.2@240,-1800
L_OUT2_U_LED_BUFFER12: R17_U_LED_BUFFER12.2 U7_U_LED_BUFFER12.17
L_OUT2_U_LED_BUFFER13: R17_U_LED_BUFFER13.2 U7_U_LED_BUFFER13.17
L_OUT2_U_LED_BUFFER14: R17_U_LED_BUFFER14.2 U7_U_LED_BUFFER14.17
L_OUT2_U_LED_BUFFER21: R17_U_LED_BUFFER21.2 U7_U_LED_BUFFER21.17 | length 530.2
  Top Layer w7: U7_U_LED_BUFFER21.17@1608.39,-2215.67 1608.39,-2171.61 v1(1620,-2160)
  Bottom Layer w7: R17_U_LED_BUFFER21.2@1440,-1950 1440,-1960 1470,-1990 1640,-1990 1675,-2025 1675,-2145 1620,-2200
L_OUT2_U_LED_BUFFER22: R17_U_LED_BUFFER22.2 U7_U_LED_BUFFER22.17
L_OUT2_U_LED_BUFFER23: R17_U_LED_BUFFER23.2 U7_U_LED_BUFFER23.17
L_OUT2_U_LED_BUFFER24: R17_U_LED_BUFFER24.2 U7_U_LED_BUFFER24.17
L_OUT2_U_LED_BUFFER31: R17_U_LED_BUFFER31.2 U7_U_LED_BUFFER31.17 | length 899.3
  Top Layer w7: U7_U_LED_BUFFER31.17@-55.67,-2558.39 31.41,-2558.39 90.7,-2499.1 90.7,-2386.43 v1(106.17,-2370.97)
  Bottom Layer w7: v1@100,-2380 107.6,-2372.4 108.42,-2372.4 123.84,-2356.98 210.55,-2356.98 211.53,-2356 385.94,-2356 417.01,-2324.93 472.8,-2324.93 479.52,-2324.93 554.45,-2250 R17_U_LED_BUFFER31.2@640,-2250
L_OUT2_U_LED_BUFFER32: R17_U_LED_BUFFER32.2 U7_U_LED_BUFFER32.17
L_OUT2_U_LED_BUFFER33: R17_U_LED_BUFFER33.2 U7_U_LED_BUFFER33.17
L_OUT2_U_LED_BUFFER34: R17_U_LED_BUFFER34.2 U7_U_LED_BUFFER34.17